# KiCad board Lime_RFE.kicad_pcb (continued)
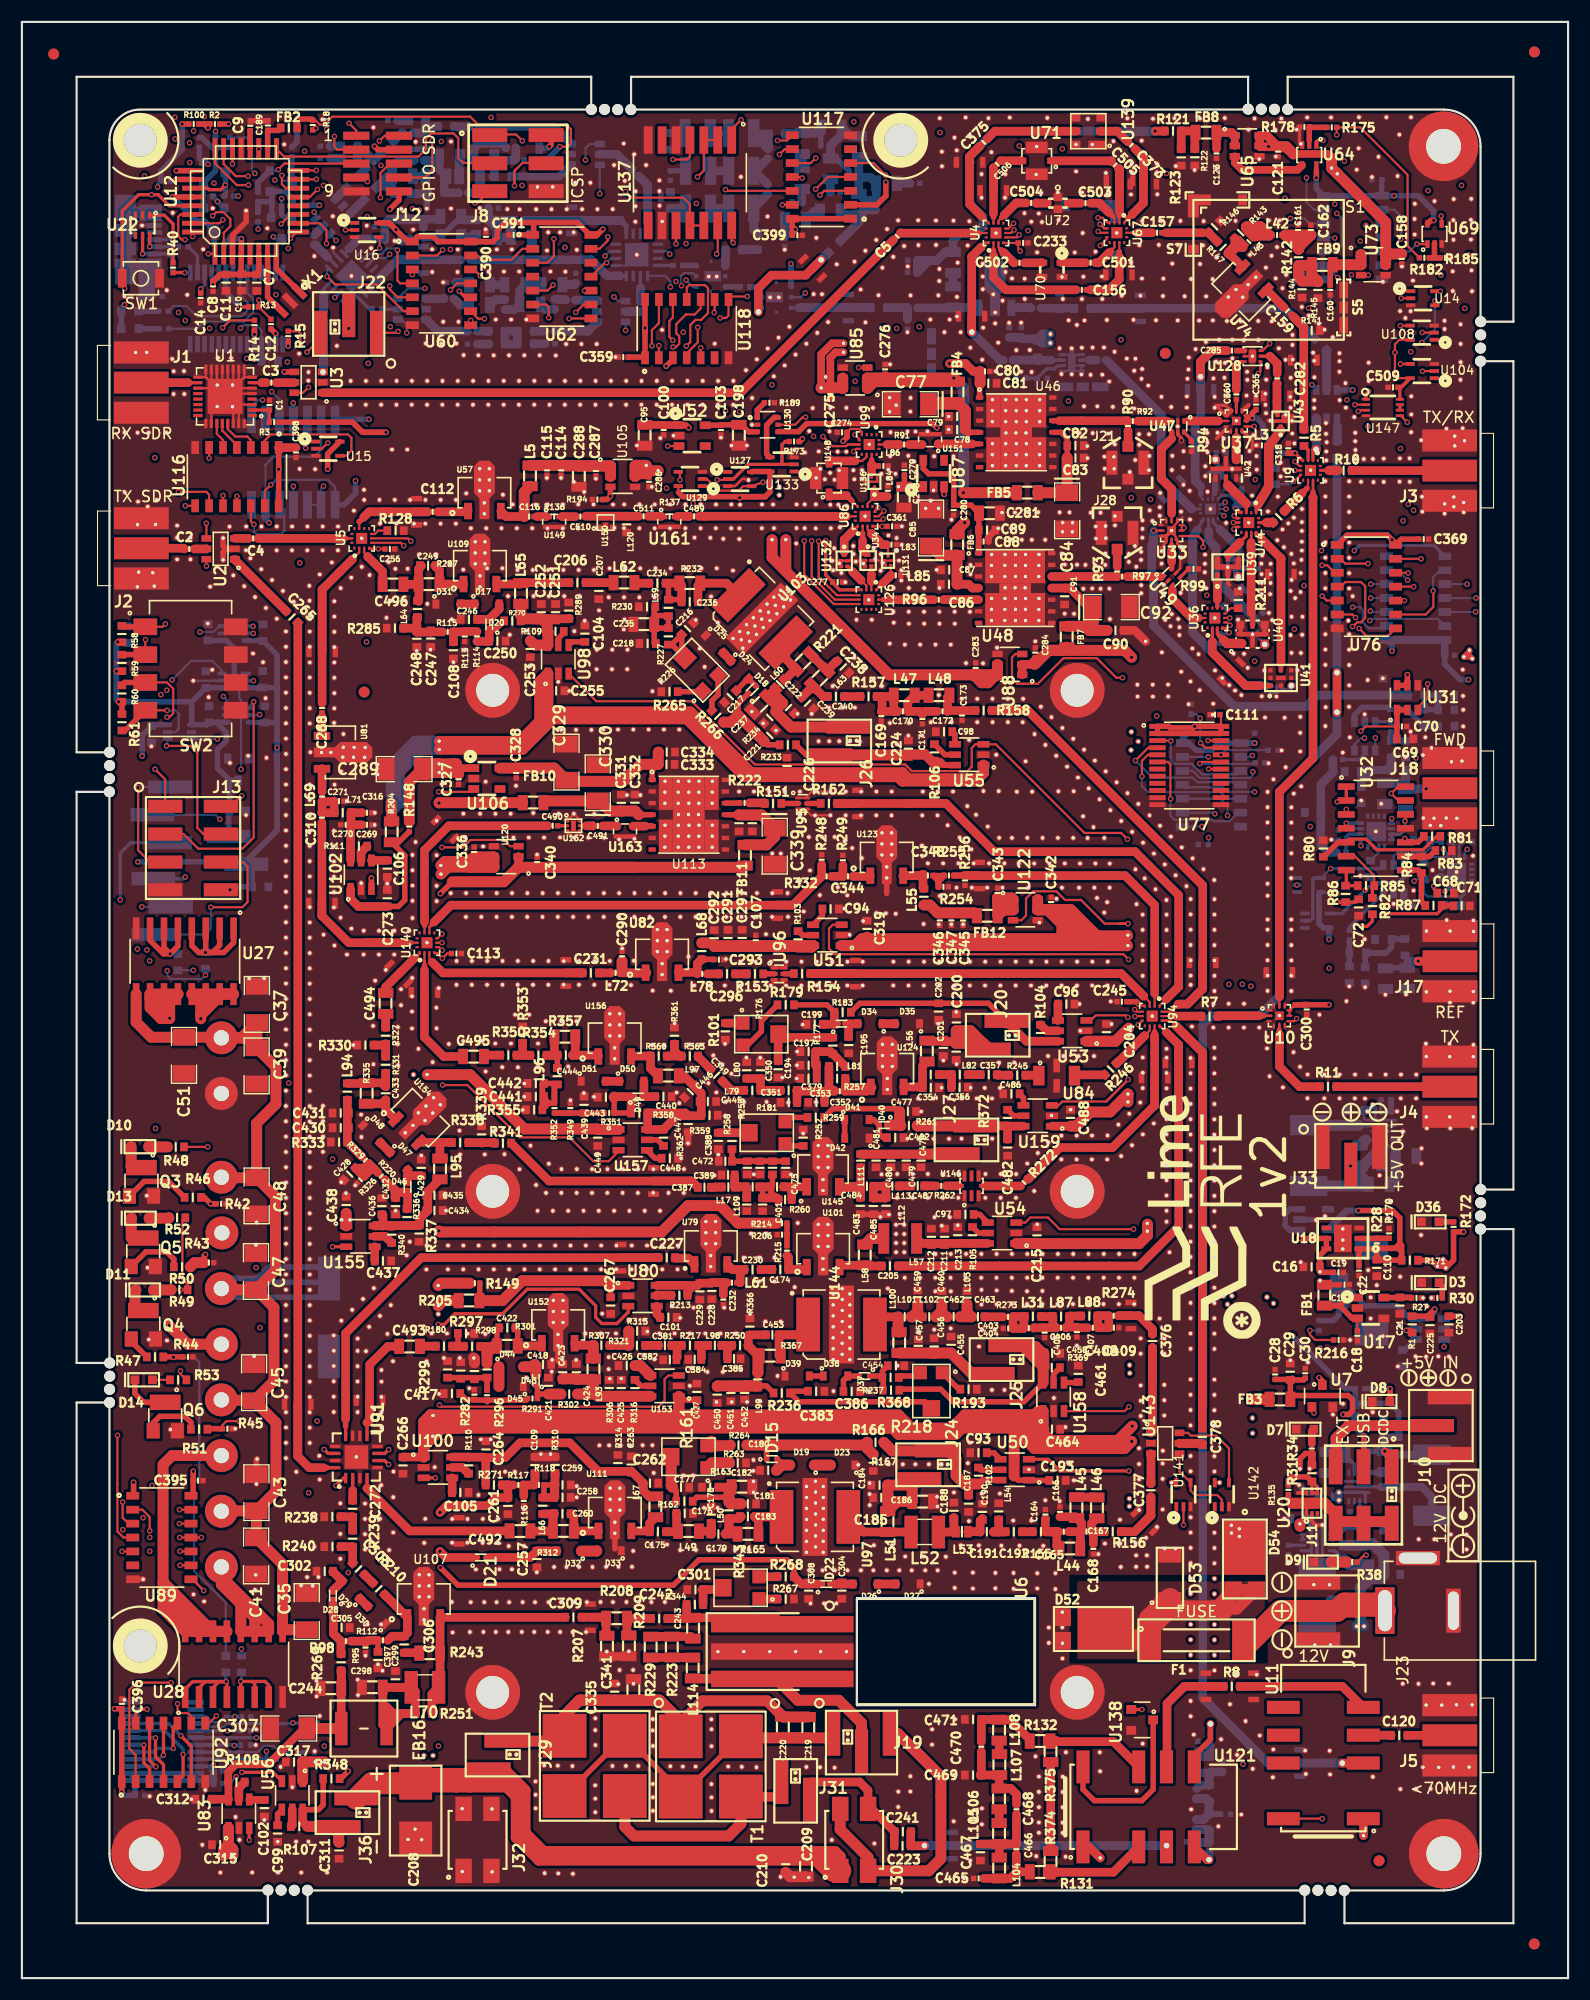
[diagram p0: board, top side]
## Placement (name value [footprint] x y rotation side) (continued)
GND_VIA#212  VAL**  [GND_VIA]  43.85 90.64 90 top
GND_VIA#213  VAL**  [GND_VIA]  49.44 90.64 90 top
GND_VIA#214  VAL**  [GND_VIA]  48.04 90.64 90 top
GND_VIA#215  VAL**  [GND_VIA]  49.45 92.81 90 top
GND_VIA#216  VAL**  [GND_VIA]  48.05 92.81 90 top
GND_VIA#217  VAL**  [GND_VIA]  46.65 92.81 90 top
GND_VIA#218  VAL**  [GND_VIA]  46.64 90.64 90 top
GND_VIA#219  VAL**  [GND_VIA]  50.85 92.81 90 top
GND_VIA#220  VAL**  [GND_VIA]  50.83 90.64 90 top
GND_VIA#221  VAL**  [GND_VIA]  45.26 92.81 90 top
GND_VIA#222  VAL**  [GND_VIA]  45.25 90.64 90 top
GND_VIA#223  VAL**  [GND_VIA]  101.94 48.35 180 top
GND_VIA#224  VAL**  [GND_VIA]  104.27 58.36 180 top
GND_VIA#225  VAL**  [GND_VIA]  102.09 58.37 180 top
GND_VIA#226  VAL**  [GND_VIA]  104.27 56.96 180 top
GND_VIA#227  VAL**  [GND_VIA]  102.09 56.97 180 top
GND_VIA#228  VAL**  [GND_VIA]  104.12 48.12 180 top
GND_VIA#229  VAL**  [GND_VIA]  103.82 60.19 180 top
GND_VIA#230  VAL**  [GND_VIA]  90.34 62.71 90 top
GND_VIA#231  VAL**  [GND_VIA]  93.12 62.7 90 top
GND_VIA#232  VAL**  [GND_VIA]  91.72 62.68 90 top
GND_VIA#233  VAL**  [GND_VIA]  88.95 61.49 90 top
GND_VIA#234  VAL**  [GND_VIA]  80.56 63.91 90 top
GND_VIA#235  VAL**  [GND_VIA]  83.35 62.68 90 top
GND_VIA#236  VAL**  [GND_VIA]  87.56 61.46 90 top
GND_VIA#237  VAL**  [GND_VIA]  87.64 59.16 90 top
GND_VIA#238  VAL**  [GND_VIA]  88.95 62.75 90 top
GND_VIA#239  VAL**  [GND_VIA]  87.56 62.81 90 top
GND_VIA#240  VAL**  [GND_VIA]  94.25 58.43 90 top
GND_VIA#241  VAL**  [GND_VIA]  96.27 57.71 90 top
GND_VIA#242  VAL**  [GND_VIA]  88.78 59.17 90 top
GND_VIA#243  VAL**  [GND_VIA]  84.77 62.67 90 top
GND_VIA#244  VAL**  [GND_VIA]  84.76 59.3 90 top
GND_VIA#245  VAL**  [GND_VIA]  83.25 59.18 90 top
GND_VIA#246  VAL**  [GND_VIA]  103.3 102.62 90 top
GND_VIA#247  VAL**  [GND_VIA]  104.85 104.17 90 top
GND_VIA#248  VAL**  [GND_VIA]  103.86 105.16 90 top
GND_VIA#249  VAL**  [GND_VIA]  102.31 103.61 90 top
GND_VIA#250  VAL**  [GND_VIA]  106.27 99.65 90 top
GND_VIA#251  VAL**  [GND_VIA]  107.82 101.2 90 top
GND_VIA#252  VAL**  [GND_VIA]  108.81 100.2 90 top
GND_VIA#253  VAL**  [GND_VIA]  105.28 100.64 90 top
GND_VIA#254  VAL**  [GND_VIA]  106.83 102.19 90 top
GND_VIA#255  VAL**  [GND_VIA]  105.84 103.18 90 top
GND_VIA#256  VAL**  [GND_VIA]  104.29 101.63 90 top
GND_VIA#257  VAL**  [GND_VIA]  102.46 100.36 90 top
GND_VIA#258  VAL**  [GND_VIA]  101.62 101.19 90 top
GND_VIA#259  VAL**  [GND_VIA]  104.44 98.38 90 top
GND_VIA#260  VAL**  [GND_VIA]  103.45 99.37 90 top
GND_VIA#261  VAL**  [GND_VIA]  97.25 104.03 90 top
GND_VIA#262  VAL**  [GND_VIA]  108.82 90.07 180 top
GND_VIA#263  VAL**  [GND_VIA]  106.65 90.64 180 top
GND_VIA#264  VAL**  [GND_VIA]  108.82 95.66 180 top
GND_VIA#265  VAL**  [GND_VIA]  106.65 95.67 180 top
GND_VIA#266  VAL**  [GND_VIA]  108.82 91.47 180 top
GND_VIA#267  VAL**  [GND_VIA]  106.65 91.48 180 top
GND_VIA#268  VAL**  [GND_VIA]  106.65 92.88 180 top
GND_VIA#269  VAL**  [GND_VIA]  106.65 94.27 180 top
GND_VIA#270  VAL**  [GND_VIA]  108.82 92.86 180 top
GND_VIA#271  VAL**  [GND_VIA]  108.82 94.26 180 top
GND_VIA#272  VAL**  [GND_VIA]  108.82 97.05 180 top
GND_VIA#273  VAL**  [GND_VIA]  106.65 97.07 180 top
GND_VIA#274  VAL**  [GND_VIA]  106.65 98.46 180 top
GND_VIA#275  VAL**  [GND_VIA]  108.82 98.45 180 top
GND_VIA#276  VAL**  [GND_VIA]  104.46 97.04 180 top
GND_VIA#277  VAL**  [GND_VIA]  104.46 94.25 180 top
GND_VIA#278  VAL**  [GND_VIA]  104.46 92.85 180 top
GND_VIA#279  VAL**  [GND_VIA]  104.46 91.45 180 top
GND_VIA#280  VAL**  [GND_VIA]  104.46 95.65 180 top
GND_VIA#281  VAL**  [GND_VIA]  103.15 87.78 180 top
GND_VIA#282  VAL**  [GND_VIA]  65.58 55.63 90 top
GND_VIA#283  VAL**  [GND_VIA]  61.09 55.63 90 top
GND_VIA#284  VAL**  [GND_VIA]  57.72 56.47 90 top
GND_VIA#285  VAL**  [GND_VIA]  56.75 56.79 90 top
GND_VIA#286  VAL**  [GND_VIA]  114.75 87.84 180 top
GND_VIA#287  VAL**  [GND_VIA]  91.9 46.41 180 top
GND_VIA#288  VAL**  [GND_VIA]  95.5 46.96 180 top
GND_VIA#289  VAL**  [GND_VIA]  98.11 98.56 90 top
GND_VIA#290  VAL**  [GND_VIA]  24.09 47.45 180 top
GND_VIA#291  VAL**  [GND_VIA]  24.09 48.85 180 top
GND_VIA#292  VAL**  [GND_VIA]  26.27 48.83 180 top
GND_VIA#293  VAL**  [GND_VIA]  26.27 54.42 180 top
GND_VIA#294  VAL**  [GND_VIA]  26.27 53.03 180 top
GND_VIA#295  VAL**  [GND_VIA]  24.09 54.44 180 top
GND_VIA#296  VAL**  [GND_VIA]  24.09 53.04 180 top
GND_VIA#297  VAL**  [GND_VIA]  24.09 51.64 180 top
GND_VIA#298  VAL**  [GND_VIA]  26.27 51.63 180 top
GND_VIA#299  VAL**  [GND_VIA]  24.09 55.83 180 top
GND_VIA#300  VAL**  [GND_VIA]  26.27 55.82 180 top
GND_VIA#301  VAL**  [GND_VIA]  24.09 50.24 180 top
GND_VIA#302  VAL**  [GND_VIA]  26.27 50.23 180 top
GND_VIA#303  VAL**  [GND_VIA]  26.27 72.58 180 top
GND_VIA#304  VAL**  [GND_VIA]  24.09 72.6 180 top
GND_VIA#305  VAL**  [GND_VIA]  26.27 78.17 180 top
GND_VIA#306  VAL**  [GND_VIA]  24.09 78.18 180 top
GND_VIA#307  VAL**  [GND_VIA]  26.27 73.98 180 top
GND_VIA#308  VAL**  [GND_VIA]  24.09 73.99 180 top
GND_VIA#309  VAL**  [GND_VIA]  24.09 75.39 180 top
GND_VIA#310  VAL**  [GND_VIA]  24.09 76.79 180 top
GND_VIA#311  VAL**  [GND_VIA]  26.27 75.38 180 top
GND_VIA#312  VAL**  [GND_VIA]  26.27 76.77 180 top
GND_VIA#313  VAL**  [GND_VIA]  26.27 71.19 180 top
GND_VIA#314  VAL**  [GND_VIA]  26.27 69.79 180 top
GND_VIA#315  VAL**  [GND_VIA]  24.09 71.2 180 top
GND_VIA#316  VAL**  [GND_VIA]  24.09 69.8 180 top
GND_VIA#317  VAL**  [GND_VIA]  24.09 68.41 180 top
GND_VIA#318  VAL**  [GND_VIA]  26.27 68.39 180 top
GND_VIA#319  VAL**  [GND_VIA]  26.27 57.22 180 top
GND_VIA#320  VAL**  [GND_VIA]  24.09 57.23 180 top
GND_VIA#321  VAL**  [GND_VIA]  24.09 58.63 180 top
GND_VIA#322  VAL**  [GND_VIA]  24.09 60.02 180 top
GND_VIA#323  VAL**  [GND_VIA]  26.27 58.61 180 top
GND_VIA#324  VAL**  [GND_VIA]  26.27 60.01 180 top
GND_VIA#325  VAL**  [GND_VIA]  26.27 65.6 180 top
GND_VIA#326  VAL**  [GND_VIA]  26.27 64.2 180 top
GND_VIA#327  VAL**  [GND_VIA]  24.09 65.61 180 top
GND_VIA#328  VAL**  [GND_VIA]  24.09 64.21 180 top
GND_VIA#329  VAL**  [GND_VIA]  24.09 62.82 180 top
GND_VIA#330  VAL**  [GND_VIA]  26.27 62.8 180 top
GND_VIA#331  VAL**  [GND_VIA]  24.09 67.01 180 top
GND_VIA#332  VAL**  [GND_VIA]  26.27 67 180 top
GND_VIA#333  VAL**  [GND_VIA]  24.09 61.42 180 top
GND_VIA#334  VAL**  [GND_VIA]  26.27 61.41 180 top
GND_VIA#335  VAL**  [GND_VIA]  26.27 106.11 180 top
GND_VIA#336  VAL**  [GND_VIA]  24.09 106.12 180 top
GND_VIA#337  VAL**  [GND_VIA]  26.33 111.86 180 top
GND_VIA#338  VAL**  [GND_VIA]  24.09 111.71 180 top
GND_VIA#339  VAL**  [GND_VIA]  26.27 107.51 180 top
GND_VIA#340  VAL**  [GND_VIA]  24.09 107.52 180 top
GND_VIA#341  VAL**  [GND_VIA]  24.09 108.92 180 top
GND_VIA#342  VAL**  [GND_VIA]  24.09 110.32 180 top
GND_VIA#343  VAL**  [GND_VIA]  26.27 108.91 180 top
GND_VIA#344  VAL**  [GND_VIA]  27.35 111.84 180 top
GND_VIA#345  VAL**  [GND_VIA]  26.27 104.71 180 top
GND_VIA#346  VAL**  [GND_VIA]  26.27 103.32 180 top
GND_VIA#347  VAL**  [GND_VIA]  24.09 104.73 180 top
GND_VIA#348  VAL**  [GND_VIA]  24.09 103.33 180 top
GND_VIA#349  VAL**  [GND_VIA]  24.09 101.93 180 top
GND_VIA#350  VAL**  [GND_VIA]  26.27 101.92 180 top
GND_VIA#351  VAL**  [GND_VIA]  28.2 111.84 180 top
GND_VIA#352  VAL**  [GND_VIA]  24.09 113.11 180 top
GND_VIA#353  VAL**  [GND_VIA]  24.09 114.51 180 top
GND_VIA#354  VAL**  [GND_VIA]  24.09 115.9 180 top
GND_VIA#355  VAL**  [GND_VIA]  26.27 114.49 180 top
GND_VIA#356  VAL**  [GND_VIA]  26.27 115.89 180 top
GND_VIA#357  VAL**  [GND_VIA]  26.27 121.48 180 top
GND_VIA#358  VAL**  [GND_VIA]  24.09 121.49 180 top
GND_VIA#359  VAL**  [GND_VIA]  24.09 120.09 180 top
GND_VIA#360  VAL**  [GND_VIA]  24.09 118.7 180 top
GND_VIA#361  VAL**  [GND_VIA]  26.27 118.68 180 top
GND_VIA#362  VAL**  [GND_VIA]  24.09 122.89 180 top
GND_VIA#363  VAL**  [GND_VIA]  26.27 122.88 180 top
GND_VIA#364  VAL**  [GND_VIA]  24.09 117.3 180 top
GND_VIA#365  VAL**  [GND_VIA]  26.27 117.29 180 top
GND_VIA#366  VAL**  [GND_VIA]  26.27 94.94 180 top
GND_VIA#367  VAL**  [GND_VIA]  24.09 94.95 180 top
GND_VIA#368  VAL**  [GND_VIA]  26.27 100.52 180 top
GND_VIA#369  VAL**  [GND_VIA]  24.09 100.54 180 top
GND_VIA#370  VAL**  [GND_VIA]  26.27 96.33 180 top
GND_VIA#371  VAL**  [GND_VIA]  24.09 96.35 180 top
GND_VIA#372  VAL**  [GND_VIA]  24.09 97.74 180 top
GND_VIA#373  VAL**  [GND_VIA]  24.09 99.14 180 top
GND_VIA#374  VAL**  [GND_VIA]  26.27 97.73 180 top
GND_VIA#375  VAL**  [GND_VIA]  26.27 99.13 180 top
GND_VIA#376  VAL**  [GND_VIA]  26.27 93.54 180 top
GND_VIA#377  VAL**  [GND_VIA]  26.27 92.14 180 top
GND_VIA#378  VAL**  [GND_VIA]  24.09 93.55 180 top
GND_VIA#379  VAL**  [GND_VIA]  24.09 92.15 180 top
GND_VIA#380  VAL**  [GND_VIA]  24.09 90.76 180 top
GND_VIA#381  VAL**  [GND_VIA]  26.27 90.74 180 top
GND_VIA#382  VAL**  [GND_VIA]  26.27 79.57 180 top
GND_VIA#383  VAL**  [GND_VIA]  24.09 79.58 180 top
GND_VIA#384  VAL**  [GND_VIA]  24.09 80.98 180 top
GND_VIA#385  VAL**  [GND_VIA]  24.09 82.38 180 top
GND_VIA#386  VAL**  [GND_VIA]  26.27 80.97 180 top
GND_VIA#387  VAL**  [GND_VIA]  26.27 82.36 180 top
GND_VIA#388  VAL**  [GND_VIA]  26.27 87.95 180 top
GND_VIA#389  VAL**  [GND_VIA]  26.27 86.55 180 top
GND_VIA#390  VAL**  [GND_VIA]  24.09 87.96 180 top
GND_VIA#391  VAL**  [GND_VIA]  24.09 86.57 180 top
GND_VIA#392  VAL**  [GND_VIA]  24.09 85.17 180 top
GND_VIA#393  VAL**  [GND_VIA]  26.27 85.16 180 top
GND_VIA#394  VAL**  [GND_VIA]  24.09 89.36 180 top
GND_VIA#395  VAL**  [GND_VIA]  26.27 89.35 180 top
GND_VIA#396  VAL**  [GND_VIA]  24.09 83.77 180 top
GND_VIA#397  VAL**  [GND_VIA]  26.27 83.76 180 top
GND_VIA#398  VAL**  [GND_VIA]  31.32 112.3 180 top
GND_VIA#399  VAL**  [GND_VIA]  30.31 112.31 180 top
GND_VIA#400  VAL**  [GND_VIA]  30.26 111.41 180 top
GND_VIA#401  VAL**  [GND_VIA]  31.27 111.4 180 top
GND_VIA#402  VAL**  [GND_VIA]  38.88 64.68 90 top
GND_VIA#403  VAL**  [GND_VIA]  38.89 66.85 90 top
GND_VIA#404  VAL**  [GND_VIA]  35.4 67.19 90 top
GND_VIA#405  VAL**  [GND_VIA]  38.7 70.03 90 top
GND_VIA#406  VAL**  [GND_VIA]  40.27 64.68 90 top
GND_VIA#407  VAL**  [GND_VIA]  40.28 66.85 90 top
GND_VIA#408  VAL**  [GND_VIA]  41.68 66.85 90 top
GND_VIA#409  VAL**  [GND_VIA]  43.08 66.85 90 top
GND_VIA#410  VAL**  [GND_VIA]  41.67 64.68 90 top
GND_VIA#411  VAL**  [GND_VIA]  43.07 64.68 90 top
GND_VIA#412  VAL**  [GND_VIA]  48.65 64.68 90 top
GND_VIA#413  VAL**  [GND_VIA]  47.26 64.68 90 top
GND_VIA#414  VAL**  [GND_VIA]  48.67 66.85 90 top
GND_VIA#415  VAL**  [GND_VIA]  47.27 66.85 90 top
GND_VIA#416  VAL**  [GND_VIA]  45.87 66.85 90 top
GND_VIA#417  VAL**  [GND_VIA]  45.86 64.68 90 top
GND_VIA#418  VAL**  [GND_VIA]  50.06 66.85 90 top
GND_VIA#419  VAL**  [GND_VIA]  50.05 64.68 90 top
GND_VIA#420  VAL**  [GND_VIA]  44.48 66.85 90 top
GND_VIA#421  VAL**  [GND_VIA]  44.46 64.68 90 top
GND_VIA#422  VAL**  [GND_VIA]  51.45 64.68 90 top
GND_VIA#423  VAL**  [GND_VIA]  51.46 66.85 90 top
GND_VIA#424  VAL**  [GND_VIA]  52.86 66.85 90 top
GND_VIA#425  VAL**  [GND_VIA]  54.25 66.85 90 top
GND_VIA#426  VAL**  [GND_VIA]  52.85 64.68 90 top
GND_VIA#427  VAL**  [GND_VIA]  54.24 64.68 90 top
GND_VIA#428  VAL**  [GND_VIA]  59.83 64.68 90 top
GND_VIA#429  VAL**  [GND_VIA]  58.43 64.68 90 top
GND_VIA#430  VAL**  [GND_VIA]  59.84 66.85 90 top
GND_VIA#431  VAL**  [GND_VIA]  58.45 66.85 90 top
GND_VIA#432  VAL**  [GND_VIA]  57.05 66.85 90 top
GND_VIA#433  VAL**  [GND_VIA]  57.04 64.68 90 top
GND_VIA#434  VAL**  [GND_VIA]  55.65 66.85 90 top
GND_VIA#435  VAL**  [GND_VIA]  55.64 64.68 90 top
GND_VIA#436  VAL**  [GND_VIA]  70.75 84.55 90 top
GND_VIA#437  VAL**  [GND_VIA]  70.73 83.3 90 top
GND_VIA#438  VAL**  [GND_VIA]  52.56 75.15 90 top
GND_VIA#439  VAL**  [GND_VIA]  46.02 54.78 180 top
GND_VIA#440  VAL**  [GND_VIA]  48.35 55.34 180 top
GND_VIA#441  VAL**  [GND_VIA]  66.8 73.35 90 top
GND_VIA#442  VAL**  [GND_VIA]  63.2 73.25 90 top
GND_VIA#443  VAL**  [GND_VIA]  63.55 75.15 90 top
GND_VIA#444  VAL**  [GND_VIA]  79.36 106.1 90 top
GND_VIA#445  VAL**  [GND_VIA]  79.37 108.27 90 top
GND_VIA#446  VAL**  [GND_VIA]  84.96 108.27 90 top
GND_VIA#447  VAL**  [GND_VIA]  116.4 119.35 90 top
GND_VIA#448  VAL**  [GND_VIA]  83.57 108.27 90 top
GND_VIA#449  VAL**  [GND_VIA]  82.16 106.1 90 top
GND_VIA#450  VAL**  [GND_VIA]  83.55 106.1 90 top
GND_VIA#451  VAL**  [GND_VIA]  77.97 106.1 90 top
GND_VIA#452  VAL**  [GND_VIA]  76.57 106.1 90 top
GND_VIA#453  VAL**  [GND_VIA]  77.98 108.27 90 top
GND_VIA#454  VAL**  [GND_VIA]  76.58 108.27 90 top
GND_VIA#455  VAL**  [GND_VIA]  75.18 108.27 90 top
GND_VIA#456  VAL**  [GND_VIA]  75.17 106.1 90 top
GND_VIA#457  VAL**  [GND_VIA]  73.79 108.27 90 top
GND_VIA#458  VAL**  [GND_VIA]  73.77 106.1 90 top
GND_VIA#459  VAL**  [GND_VIA]  89.18 104.05 90 top
GND_VIA#460  VAL**  [GND_VIA]  90.35 104.05 90 top
GND_VIA#461  VAL**  [GND_VIA]  95.94 104.05 90 top
GND_VIA#462  VAL**  [GND_VIA]  94.54 104.05 90 top
GND_VIA#463  VAL**  [GND_VIA]  93.14 104.05 90 top
GND_VIA#464  VAL**  [GND_VIA]  91.74 104.05 90 top
GND_VIA#465  VAL**  [GND_VIA]  82.21 108.27 90 top
GND_VIA#466  VAL**  [GND_VIA]  79.51 90.58 90 top
GND_VIA#467  VAL**  [GND_VIA]  79.52 92.75 90 top
GND_VIA#468  VAL**  [GND_VIA]  85.1 90.58 90 top
GND_VIA#469  VAL**  [GND_VIA]  85.11 92.75 90 top
GND_VIA#470  VAL**  [GND_VIA]  80.91 90.58 90 top
GND_VIA#471  VAL**  [GND_VIA]  80.92 92.75 90 top
GND_VIA#472  VAL**  [GND_VIA]  82.32 92.75 90 top
GND_VIA#473  VAL**  [GND_VIA]  83.72 92.75 90 top
GND_VIA#474  VAL**  [GND_VIA]  82.31 90.58 90 top
GND_VIA#475  VAL**  [GND_VIA]  83.7 90.58 90 top
GND_VIA#476  VAL**  [GND_VIA]  76.72 90.58 90 top
GND_VIA#477  VAL**  [GND_VIA]  76.73 92.75 90 top
GND_VIA#478  VAL**  [GND_VIA]  75.33 92.75 90 top
GND_VIA#479  VAL**  [GND_VIA]  75.32 90.58 90 top
GND_VIA#480  VAL**  [GND_VIA]  73.94 92.75 90 top
GND_VIA#481  VAL**  [GND_VIA]  73.92 90.58 90 top
GND_VIA#482  VAL**  [GND_VIA]  86.5 90.58 90 top
GND_VIA#483  VAL**  [GND_VIA]  86.51 92.75 90 top
GND_VIA#484  VAL**  [GND_VIA]  87.91 92.75 90 top
GND_VIA#485  VAL**  [GND_VIA]  89.3 92.75 90 top
GND_VIA#486  VAL**  [GND_VIA]  87.89 90.58 90 top
GND_VIA#487  VAL**  [GND_VIA]  89.29 90.58 90 top
GND_VIA#488  VAL**  [GND_VIA]  94.88 90.58 90 top
GND_VIA#489  VAL**  [GND_VIA]  93.48 90.58 90 top
GND_VIA#490  VAL**  [GND_VIA]  94.89 92.75 90 top
GND_VIA#491  VAL**  [GND_VIA]  93.49 92.75 90 top
GND_VIA#492  VAL**  [GND_VIA]  92.1 92.75 90 top
GND_VIA#493  VAL**  [GND_VIA]  92.09 90.58 90 top
GND_VIA#494  VAL**  [GND_VIA]  96.29 92.75 90 top
GND_VIA#495  VAL**  [GND_VIA]  96.28 90.58 90 top
GND_VIA#496  VAL**  [GND_VIA]  90.7 92.75 90 top
GND_VIA#497  VAL**  [GND_VIA]  90.69 90.58 90 top
GND_VIA#498  VAL**  [GND_VIA]  97.67 90.58 90 top
GND_VIA#499  VAL**  [GND_VIA]  97.69 92.75 90 top
GND_VIA#500  VAL**  [GND_VIA]  99.08 92.75 90 top
GND_VIA#501  VAL**  [GND_VIA]  99.07 90.58 90 top
GND_VIA#502  VAL**  [GND_VIA]  101.32 104.6 90 top
GND_VIA#503  VAL**  [GND_VIA]  87.07 106.16 90 top
GND_VIA#504  VAL**  [GND_VIA]  98.78 104.04 90 top
GND_VIA#505  VAL**  [GND_VIA]  100.32 105.59 90 top
GND_VIA#506  VAL**  [GND_VIA]  99.33 106.58 90 top
GND_VIA#507  VAL**  [GND_VIA]  97.78 105.03 90 top
GND_VIA#508  VAL**  [GND_VIA]  98.34 107.57 90 top
GND_VIA#509  VAL**  [GND_VIA]  97.36 108.57 90 top
GND_VIA#510  VAL**  [GND_VIA]  98.91 110.12 90 top
GND_VIA#511  VAL**  [GND_VIA]  99.9 109.13 90 top
GND_VIA#512  VAL**  [GND_VIA]  102.9 106.11 90 top
GND_VIA#513  VAL**  [GND_VIA]  101.88 107.14 90 top
GND_VIA#514  VAL**  [GND_VIA]  100.89 108.14 90 top
GND_VIA#515  VAL**  [GND_VIA]  95.38 110.55 90 top
GND_VIA#516  VAL**  [GND_VIA]  96.93 112.1 90 top
GND_VIA#517  VAL**  [GND_VIA]  97.92 111.11 90 top
GND_VIA#518  VAL**  [GND_VIA]  96.37 109.56 90 top
GND_VIA#519  VAL**  [GND_VIA]  94.39 111.54 90 top
GND_VIA#520  VAL**  [GND_VIA]  95.94 113.09 90 top
GND_VIA#521  VAL**  [GND_VIA]  94.95 114.08 90 top
GND_VIA#522  VAL**  [GND_VIA]  93.4 112.53 90 top
GND_VIA#523  VAL**  [GND_VIA]  92.41 113.52 90 top
GND_VIA#524  VAL**  [GND_VIA]  93.95 115.07 90 top
GND_VIA#525  VAL**  [GND_VIA]  101.72 98 180 top
GND_VIA#526  VAL**  [GND_VIA]  102.27 97.05 180 top
GND_VIA#527  VAL**  [GND_VIA]  102.27 94.26 180 top
GND_VIA#528  VAL**  [GND_VIA]  102.27 92.86 180 top
GND_VIA#529  VAL**  [GND_VIA]  102.27 91.46 180 top
GND_VIA#530  VAL**  [GND_VIA]  102.27 95.65 180 top
GND_VIA#531  VAL**  [GND_VIA]  72.53 90.58 90 top
GND_VIA#532  VAL**  [GND_VIA]  38.04 90.34 180 top
GND_VIA#533  VAL**  [GND_VIA]  71.13 90.58 90 top
GND_VIA#534  VAL**  [GND_VIA]  69.73 90.58 90 top
GND_VIA#535  VAL**  [GND_VIA]  68.34 90.58 90 top
GND_VIA#536  VAL**  [GND_VIA]  55.58 90.61 90 top
GND_VIA#537  VAL**  [GND_VIA]  65.54 90.58 90 top
GND_VIA#538  VAL**  [GND_VIA]  64.15 90.58 90 top
GND_VIA#539  VAL**  [GND_VIA]  62.75 90.58 90 top
GND_VIA#540  VAL**  [GND_VIA]  66.94 90.58 90 top
GND_VIA#541  VAL**  [GND_VIA]  61.35 90.58 90 top
GND_VIA#542  VAL**  [GND_VIA]  65.55 92.75 90 top
GND_VIA#543  VAL**  [GND_VIA]  66.95 92.75 90 top
GND_VIA#544  VAL**  [GND_VIA]  68.35 92.75 90 top
GND_VIA#545  VAL**  [GND_VIA]  69.75 92.75 90 top
GND_VIA#546  VAL**  [GND_VIA]  72.54 92.75 90 top
GND_VIA#547  VAL**  [GND_VIA]  71.14 92.75 90 top
GND_VIA#548  VAL**  [GND_VIA]  100.94 80.67 90 top
GND_VIA#549  VAL**  [GND_VIA]  38.08 112.11 90 top
GND_VIA#550  VAL**  [GND_VIA]  38.07 112.88 90 top
GND_VIA#551  VAL**  [GND_VIA]  29.93 69.19 90 top
GND_VIA#552  VAL**  [GND_VIA]  29.19 69.19 90 top
GND_VIA#553  VAL**  [GND_VIA]  36.97 82.46 90 top
GND_VIA#554  VAL**  [GND_VIA]  36.68 20.31 90 top
GND_VIA#555  VAL**  [GND_VIA]  37.52 20.31 90 top
GND_VIA#556  VAL**  [GND_VIA]  101.24 113.72 90 top
GND_VIA#557  VAL**  [GND_VIA]  101.22 112.06 90 top
GND_VIA#558  VAL**  [GND_VIA]  101.87 112.85 90 top
GND_VIA#559  VAL**  [GND_VIA]  100.93 79.95 90 top
GND_VIA#560  VAL**  [GND_VIA]  119.51 165.18 90 top
GND_VIA#561  VAL**  [GND_VIA]  120.03 164.65 90 top
GND_VIA#562  VAL**  [GND_VIA]  28.51 121.45 180 top
GND_VIA#563  VAL**  [GND_VIA]  29.09 126.84 180 top
GND_VIA#564  VAL**  [GND_VIA]  28.51 122.85 180 top
GND_VIA#565  VAL**  [GND_VIA]  28.51 124.25 180 top
GND_VIA#566  VAL**  [GND_VIA]  28.51 125.64 180 top
GND_VIA#567  VAL**  [GND_VIA]  28.51 120.06 180 top
GND_VIA#568  VAL**  [GND_VIA]  28.51 118.66 180 top
GND_VIA#569  VAL**  [GND_VIA]  28.51 117.26 180 top
GND_VIA#570  VAL**  [GND_VIA]  28.51 115.87 180 top
GND_VIA#571  VAL**  [GND_VIA]  26.25 125.69 180 top
GND_VIA#572  VAL**  [GND_VIA]  26.25 124.29 180 top
GND_VIA#573  VAL**  [GND_VIA]  91.33 114.6 90 top
GND_VIA#574  VAL**  [GND_VIA]  92.98 116.02 90 top
GND_VIA#575  VAL**  [GND_VIA]  89.97 114.61 90 top
GND_VIA#576  VAL**  [GND_VIA]  88.57 114.61 90 top
GND_VIA#577  VAL**  [GND_VIA]  87.18 114.61 90 top
GND_VIA#578  VAL**  [GND_VIA]  88.57 116.74 90 top
GND_VIA#579  VAL**  [GND_VIA]  89.97 116.74 90 top
GND_VIA#580  VAL**  [GND_VIA]  91.37 116.74 90 top
GND_VIA#581  VAL**  [GND_VIA]  87.18 116.74 90 top
GND_VIA#582  VAL**  [GND_VIA]  85.78 116.74 90 top
GND_VIA#583  VAL**  [GND_VIA]  108.82 67.19 180 top
GND_VIA#584  VAL**  [GND_VIA]  106.65 67.2 180 top
GND_VIA#585  VAL**  [GND_VIA]  108.82 72.78 180 top
GND_VIA#586  VAL**  [GND_VIA]  106.65 72.79 180 top
GND_VIA#587  VAL**  [GND_VIA]  108.82 68.59 180 top
GND_VIA#588  VAL**  [GND_VIA]  106.65 68.6 180 top
GND_VIA#589  VAL**  [GND_VIA]  106.65 70 180 top
GND_VIA#590  VAL**  [GND_VIA]  106.65 71.39 180 top
GND_VIA#591  VAL**  [GND_VIA]  108.82 69.98 180 top
GND_VIA#592  VAL**  [GND_VIA]  108.82 71.38 180 top
GND_VIA#593  VAL**  [GND_VIA]  108.82 65.79 180 top
GND_VIA#594  VAL**  [GND_VIA]  108.82 64.4 180 top
GND_VIA#595  VAL**  [GND_VIA]  106.65 65.81 180 top
GND_VIA#596  VAL**  [GND_VIA]  106.65 64.41 180 top
GND_VIA#597  VAL**  [GND_VIA]  106.65 63.01 180 top
GND_VIA#598  VAL**  [GND_VIA]  108.82 63 180 top
GND_VIA#599  VAL**  [GND_VIA]  108.82 74.18 180 top
GND_VIA#600  VAL**  [GND_VIA]  106.65 74.19 180 top
GND_VIA#601  VAL**  [GND_VIA]  106.65 75.59 180 top
GND_VIA#602  VAL**  [GND_VIA]  106.65 76.98 180 top
GND_VIA#603  VAL**  [GND_VIA]  108.82 75.57 180 top
GND_VIA#604  VAL**  [GND_VIA]  108.82 76.97 180 top
GND_VIA#605  VAL**  [GND_VIA]  108.82 82.56 180 top
GND_VIA#606  VAL**  [GND_VIA]  108.82 81.16 180 top
GND_VIA#607  VAL**  [GND_VIA]  106.65 82.57 180 top
GND_VIA#608  VAL**  [GND_VIA]  106.65 81.17 180 top
GND_VIA#609  VAL**  [GND_VIA]  106.65 79.78 180 top
GND_VIA#610  VAL**  [GND_VIA]  108.82 79.76 180 top
GND_VIA#611  VAL**  [GND_VIA]  108.82 83.95 180 top
GND_VIA#612  VAL**  [GND_VIA]  106.65 78.38 180 top
GND_VIA#613  VAL**  [GND_VIA]  108.82 78.37 180 top
GND_VIA#614  VAL**  [GND_VIA]  108.82 61.6 180 top
GND_VIA#615  VAL**  [GND_VIA]  106.65 61.62 180 top
GND_VIA#616  VAL**  [GND_VIA]  108.82 57.41 180 top
GND_VIA#617  VAL**  [GND_VIA]  106.65 57.42 180 top
GND_VIA#618  VAL**  [GND_VIA]  106.65 58.82 180 top
GND_VIA#619  VAL**  [GND_VIA]  106.65 60.22 180 top
GND_VIA#620  VAL**  [GND_VIA]  108.82 58.81 180 top
GND_VIA#621  VAL**  [GND_VIA]  108.82 60.21 180 top
GND_VIA#622  VAL**  [GND_VIA]  108.82 54.62 180 top
GND_VIA#623  VAL**  [GND_VIA]  108.82 53.22 180 top
GND_VIA#624  VAL**  [GND_VIA]  106.65 54.63 180 top
GND_VIA#625  VAL**  [GND_VIA]  106.65 53.23 180 top
GND_VIA#626  VAL**  [GND_VIA]  106.65 51.84 180 top
GND_VIA#627  VAL**  [GND_VIA]  108.82 51.82 180 top
GND_VIA#628  VAL**  [GND_VIA]  108.82 47.63 180 top
GND_VIA#629  VAL**  [GND_VIA]  106.65 47.65 180 top
GND_VIA#630  VAL**  [GND_VIA]  106.65 50.44 180 top
GND_VIA#631  VAL**  [GND_VIA]  108.82 50.43 180 top
GND_VIA#632  VAL**  [GND_VIA]  104.45 78.4 180 top
GND_VIA#633  VAL**  [GND_VIA]  104.45 83.99 180 top
GND_VIA#634  VAL**  [GND_VIA]  104.45 79.8 180 top
GND_VIA#635  VAL**  [GND_VIA]  104.45 81.2 180 top
GND_VIA#636  VAL**  [GND_VIA]  104.45 82.59 180 top
GND_VIA#637  VAL**  [GND_VIA]  104.45 77.01 180 top
GND_VIA#638  VAL**  [GND_VIA]  104.45 75.61 180 top
GND_VIA#639  VAL**  [GND_VIA]  104.45 74.21 180 top
GND_VIA#640  VAL**  [GND_VIA]  104.45 72.81 180 top
GND_VIA#641  VAL**  [GND_VIA]  104.46 69.02 180 top
GND_VIA#642  VAL**  [GND_VIA]  104.45 70.02 180 top
GND_VIA#643  VAL**  [GND_VIA]  104.45 71.42 180 top
GND_VIA#644  VAL**  [GND_VIA]  104.45 84.8 180 top
GND_VIA#645  VAL**  [GND_VIA]  102.28 84.01 180 top
GND_VIA#646  VAL**  [GND_VIA]  102.28 81.22 180 top
GND_VIA#647  VAL**  [GND_VIA]  102.28 82.61 180 top
GND_VIA#648  VAL**  [GND_VIA]  104.73 66.23 180 top
GND_VIA#649  VAL**  [GND_VIA]  98.71 61.51 90 top
GND_VIA#650  VAL**  [GND_VIA]  100.1 61.51 90 top
GND_VIA#651  VAL**  [GND_VIA]  101.5 61.51 90 top
GND_VIA#652  VAL**  [GND_VIA]  97.31 61.51 90 top
GND_VIA#653  VAL**  [GND_VIA]  95.91 61.51 90 top
GND_VIA#654  VAL**  [GND_VIA]  94.52 61.51 90 top
GND_VIA#655  VAL**  [GND_VIA]  91.72 61.51 90 top
GND_VIA#656  VAL**  [GND_VIA]  90.32 61.51 90 top
GND_VIA#657  VAL**  [GND_VIA]  93.12 61.51 90 top
GND_VIA#658  VAL**  [GND_VIA]  108.45 134.06 90 top
GND_VIA#659  VAL**  [GND_VIA]  113.39 119.34 90 top
GND_VIA#660  VAL**  [GND_VIA]  79.77 66.24 90 top
GND_VIA#661  VAL**  [GND_VIA]  79.77 67.08 90 top
GND_VIA#662  VAL**  [GND_VIA]  80.52 67.08 90 top
GND_VIA#663  VAL**  [GND_VIA]  80.51 68.74 90 top
GND_VIA#664  VAL**  [GND_VIA]  79.77 68.74 90 top
GND_VIA#665  VAL**  [GND_VIA]  79.77 67.9 90 top
GND_VIA#666  VAL**  [GND_VIA]  80.52 67.9 90 top
GND_VIA#667  VAL**  [GND_VIA]  68.46 131.26 90 top
GND_VIA#668  VAL**  [GND_VIA]  69.71 131.27 90 top
GND_VIA#669  VAL**  [GND_VIA]  93.85 149.21 90 top
GND_VIA#670  VAL**  [GND_VIA]  93.86 150.03 90 top
GND_VIA#671  VAL**  [GND_VIA]  110.12 86.74 90 top
GND_VIA#672  VAL**  [GND_VIA]  110.13 88.91 90 top
GND_VIA#673  VAL**  [GND_VIA]  111.51 86.74 90 top
GND_VIA#674  VAL**  [GND_VIA]  111.53 88.91 90 top
GND_VIA#675  VAL**  [GND_VIA]  120.87 89.15 90 top
GND_VIA#676  VAL**  [GND_VIA]  112.91 86.74 90 top
GND_VIA#677  VAL**  [GND_VIA]  108.72 86.74 90 top
GND_VIA#678  VAL**  [GND_VIA]  106.77 86.83 90 top
GND_VIA#679  VAL**  [GND_VIA]  108.73 88.91 90 top
GND_VIA#680  VAL**  [GND_VIA]  108.82 84.9 90 top
GND_VIA#681  VAL**  [GND_VIA]  105.47 141.6 0 top
GND_VIA#682  VAL**  [GND_VIA]  91.55 126.88 0 top
GND_VIA#683  VAL**  [GND_VIA]  88.49 129.91 0 top
GND_VIA#684  VAL**  [GND_VIA]  88.48 128.91 0 top
GND_VIA#685  VAL**  [GND_VIA]  88.48 127.9 0 top
GND_VIA#686  VAL**  [GND_VIA]  90.63 126.88 0 top
GND_VIA#687  VAL**  [GND_VIA]  89.72 126.88 0 top
GND_VIA#688  VAL**  [GND_VIA]  89.7 127.9 0 top
GND_VIA#689  VAL**  [GND_VIA]  89.7 128.91 0 top
GND_VIA#690  VAL**  [GND_VIA]  89.71 129.91 0 top
GND_VIA#691  VAL**  [GND_VIA]  92.81 129.91 0 top
GND_VIA#692  VAL**  [GND_VIA]  92.8 128.91 0 top
GND_VIA#693  VAL**  [GND_VIA]  92.8 127.9 0 top
GND_VIA#694  VAL**  [GND_VIA]  91.58 127.9 0 top
GND_VIA#695  VAL**  [GND_VIA]  91.58 128.91 0 top
GND_VIA#696  VAL**  [GND_VIA]  91.59 129.91 0 top
GND_VIA#697  VAL**  [GND_VIA]  90.67 129.91 0 top
GND_VIA#698  VAL**  [GND_VIA]  90.66 128.91 0 top
GND_VIA#699  VAL**  [GND_VIA]  90.66 127.9 0 top
GND_VIA#700  VAL**  [GND_VIA]  90.66 123.89 0 top
GND_VIA#701  VAL**  [GND_VIA]  90.66 124.9 0 top